# Altium PCB RCJ22_motherboard_2_final.PcbDoc (part 4 of 4)
Units mm, origin at the board's own origin, x right, y up, seen from the top; angles counter-clockwise.
Board outline 106.05 x 111.54 mm, 4 copper layers (Top Layer, Signal Layer 1, Signal Layer 2, Bottom Layer), stack 1.651 mm thick; 282 components, 273 nets, 1158 pads, 491 vias.
Unrouted connection lines stored in the file: 163.
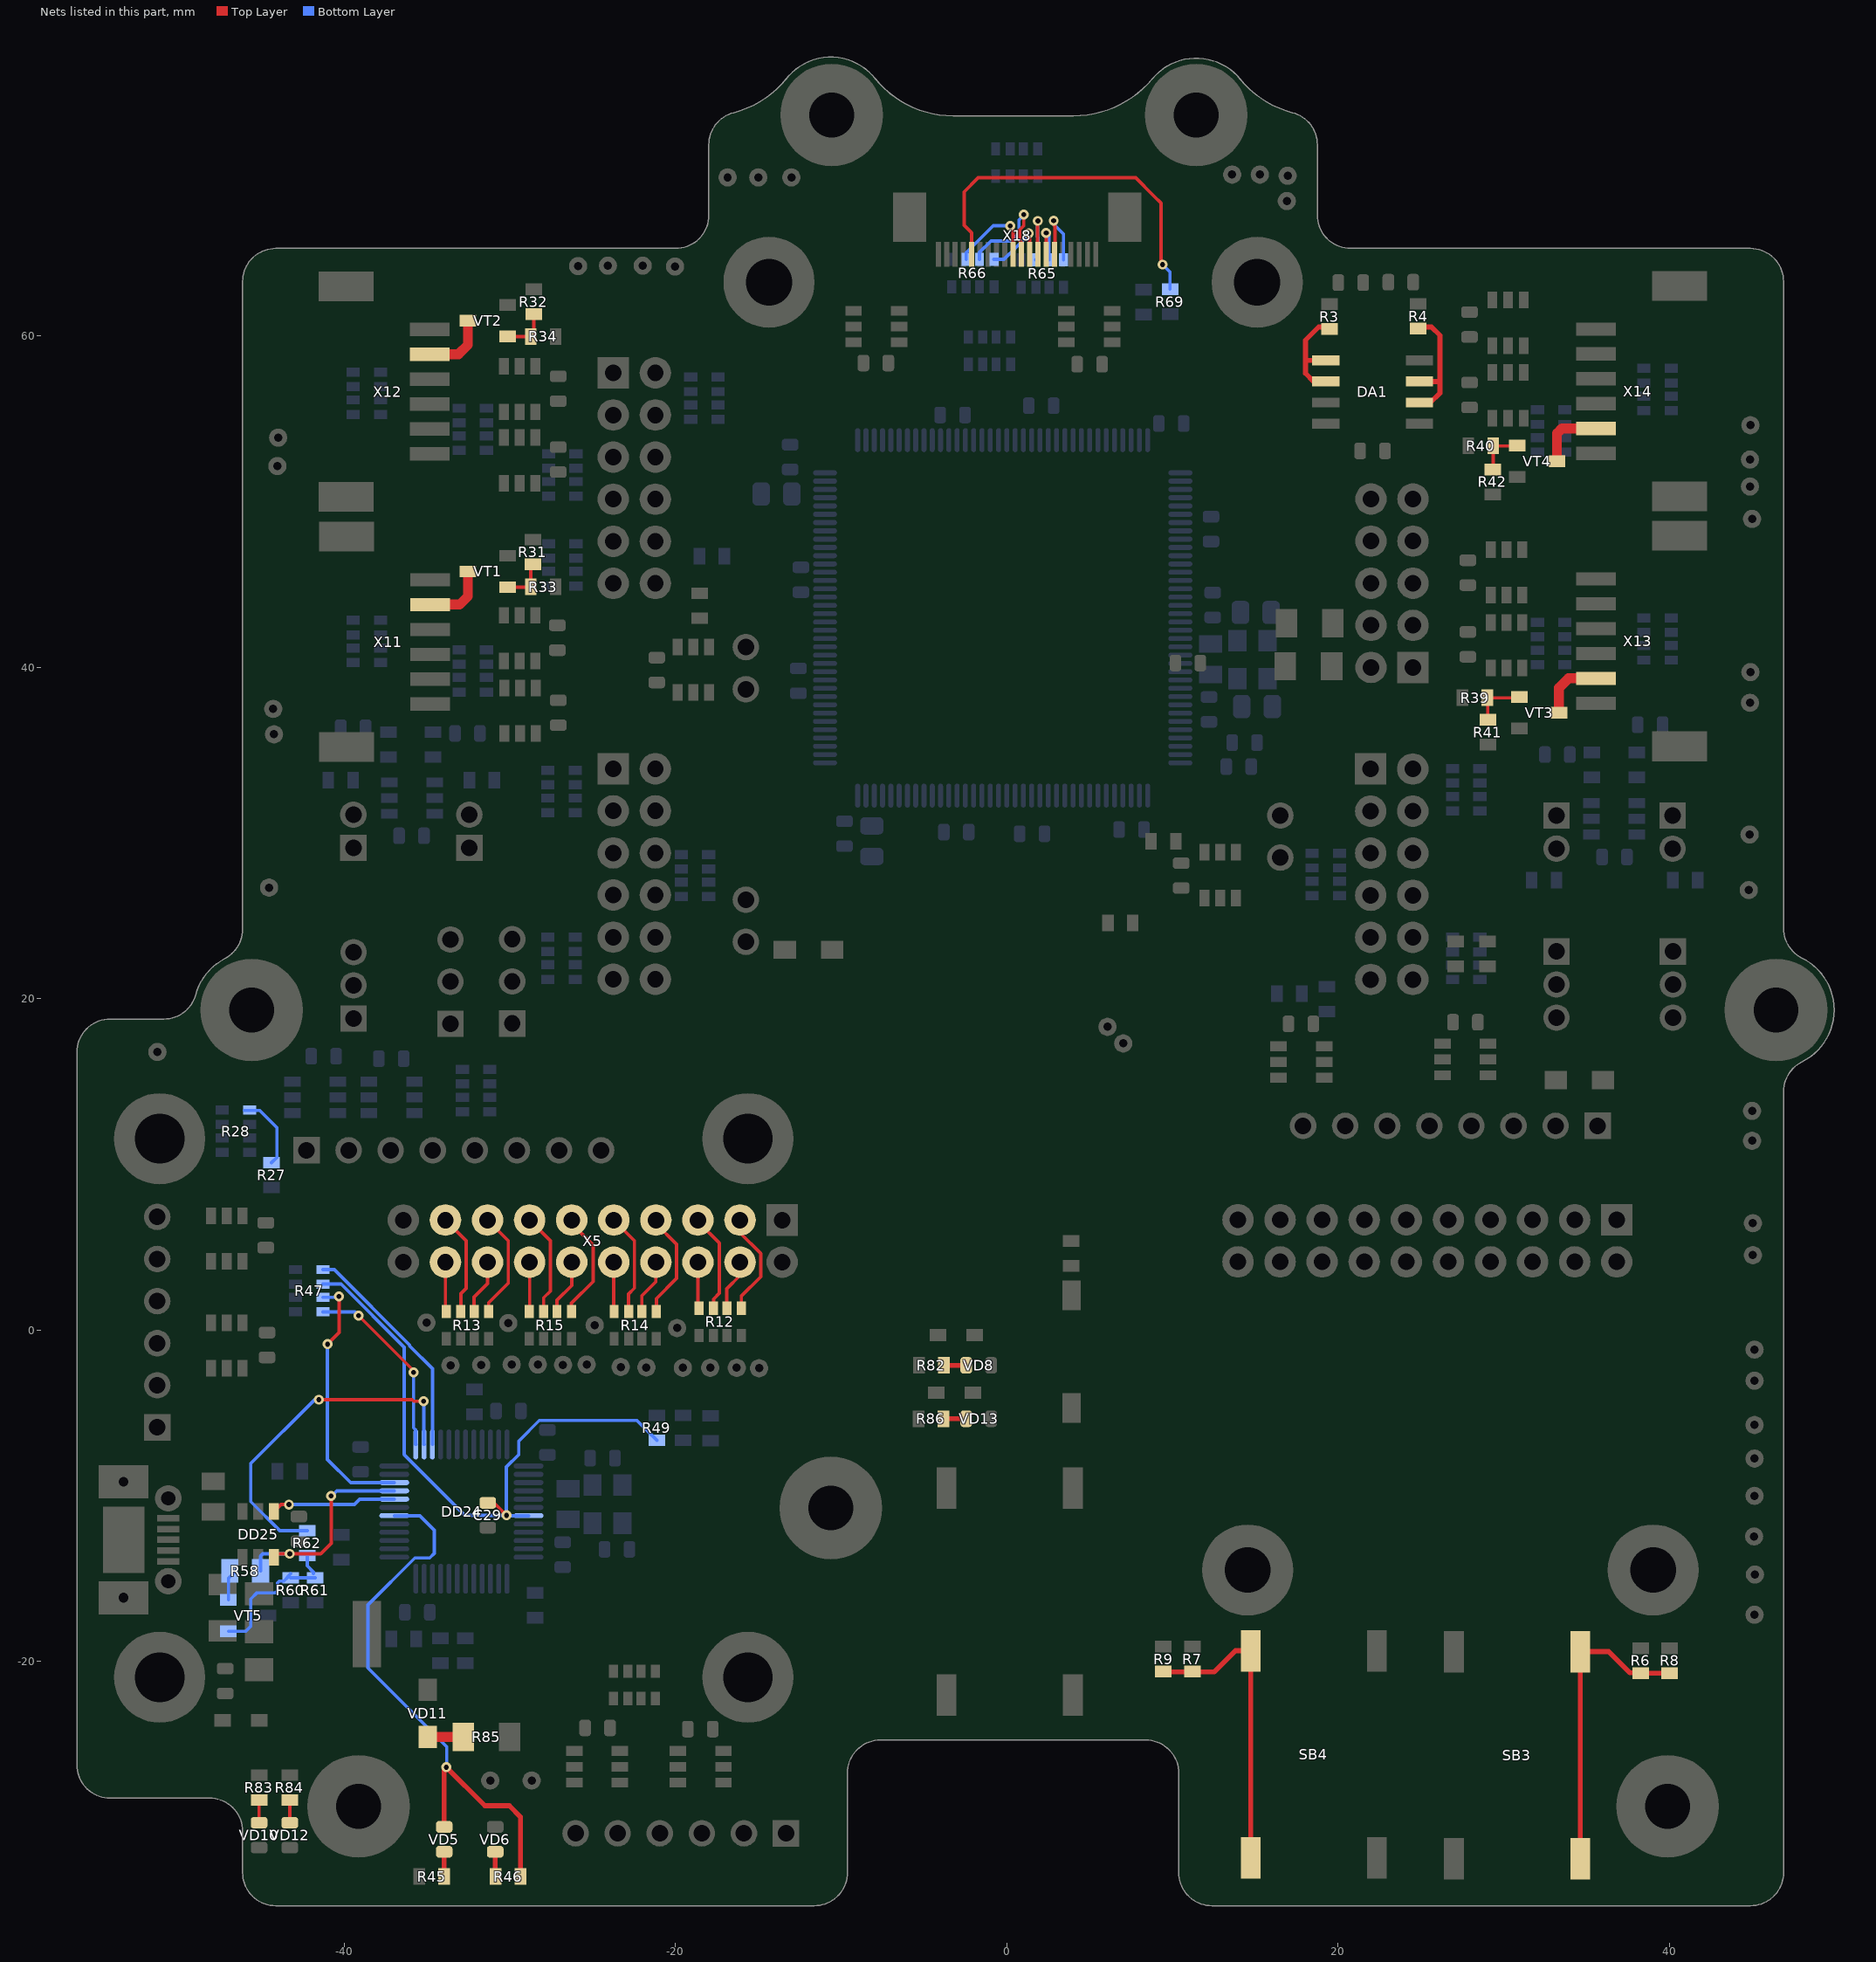
[diagram p6: the nets of this part, all layers, seen from the top]

## Via types
v1: diameter 0.6, hole 0.3, Top Layer to Bottom Layer, tented both sides, 475 vias
v2: diameter 1.1, hole 0.5, Top Layer to Bottom Layer, tented both sides, 16 vias

## Nets (pads, with @x,y where several pads share a name; then routed paths per layer and width w, separated by ;. In a path a pad name is that pad's centre, name@x,y a point inside that pad or via, vN(x,y) a via of type N, cw(c..) or ccw(c..) an arc to the next point about the centre after c; other vN are vias at no path point) (continued)
NetR6_1: R6.1 R8.1 SB3.2 | length 18.4
  Top Layer w0.3: SB3.2@34.61,-31.9 SB3.2@34.61,-19.4 36.325,-19.4 37.6,-20.675 R6.1@38.2,-20.675 ; R6.1@38.25,-20.7 R8.1@40,-20.7
NetR7_1: R7.1 R9.1 SB4.2 | length 18.3
  Top Layer w0.3: R9.1@9.45,-20.625 12.525,-20.625 13.8,-19.35 SB4.2@14.715,-19.35 SB4.2@14.715,-31.85
NetR12_1: R12.1 X5.3 | length 6.3
  Top Layer w0.2: X5.3@-16.1,6.64 -16.1,5.868 -14.85,4.618 -14.85,3.215 -16.025,2.04 R12.1@-16.025,1.325
NetR12_2: R12.2 X5.4 | length 3.1
  Top Layer w0.2: R12.2@-16.9,1.325 -16.9,2.5 -16.1,3.3 X5.4@-16.1,4.1
NetR12_3: R12.3 X5.5 | length 6
  Top Layer w0.2: X5.5@-18.64,6.64 -18.64,6.54 -17.35,5.25 -17.35,2.225 -17.7,1.875 R12.3@-17.7,1.325
NetR12_4: R12.4 X5.6 | length 2.8
  Top Layer w0.2: X5.6@-18.64,4.1 -18.64,1.39 R12.4@-18.575,1.325
NetR13_1: R13.1 X5.15 | length 6.5
  Top Layer w0.2: X5.15@-31.34,6.64 -30.09,5.39 -30.09,2.835 -31.275,1.65 R13.1@-31.275,1.125
NetR13_2: R13.2 X5.16 | length 3.3
  Top Layer w0.2: R13.2@-32.15,1.125 -32.15,2 -31.34,2.81 X5.16@-31.34,4.1
NetR13_3: R13.3 X5.17 | length 6.3
  Top Layer w0.2: X5.17@-33.88,6.64 -32.63,5.39 -32.63,2.52 -32.95,2.2 R13.3@-32.95,1.125
  Top Layer w0.3: X5.17@-34.035,6.64 X5.17@-33.88,6.64
NetR13_4: R13.4 X5.18 | length 3
  Top Layer w0.2: X5.18@-33.88,4.1 -33.88,1.18 R13.4@-33.825,1.125
NetR14_1: R14.1 X5.7 | length 6.5
  Top Layer w0.2: X5.7@-21.18,6.64 -21.18,6.43 -19.925,5.175 -19.925,3.125 -21.15,1.9 R14.1@-21.15,1.125
NetR14_2: R14.2 X5.8 | length 3.3
  Top Layer w0.2: R14.2@-22.025,1.125 -22.025,2.066 -21.18,2.911 X5.8@-21.18,4.1
NetR14_3: R14.3 X5.9 | length 6.2
  Top Layer w0.2: X5.9@-23.72,6.64 -22.47,5.39 -22.47,2.53 -22.825,2.175 R14.3@-22.825,1.125
NetR14_4: R14.4 X5.10 | length 3
  Top Layer w0.2: X5.10@-23.72,4.1 -23.72,1.145 R14.4@-23.7,1.125
NetR15_1: R15.1 X5.11 | length 6.6
  Top Layer w0.2: R15.1@-26.275,1.125 -26.275,1.625 -24.97,2.93 -24.97,5.12 -26.26,6.41 X5.11@-26.26,6.64
NetR15_2: R15.2 X5.12 | length 3.3
  Top Layer w0.2: R15.2@-27.15,1.125 -27.15,1.8 -26.26,2.69 X5.12@-26.26,4.1
NetR15_3: R15.3 X5.13 | length 6.2
  Top Layer w0.2: X5.13@-28.8,6.64 -27.55,5.39 -27.55,2.35 -27.95,1.95 R15.3@-27.95,1.125
NetR15_4: R15.4 X5.14 | length 3
  Top Layer w0.2: R15.4@-28.825,1.125 -28.8,1.15 X5.14@-28.8,4.1
NetR27_2: R27.2 R28.1 | length 4.7
  Bottom Layer w0.2: R28.1@-46.025,13.25 -45.925,13.25 -45.083,13.25 -44.05,12.217 -44.05,10.425 R27.2@-44.375,10.1
NetR31_1: R31.1 R33.1 VT1.1 | length 2.8
  Top Layer w0.2: VT1.1@-30.125,44.825 -28.75,44.825 R33.1@-28.725,44.85 -28.725,46.075 R31.1@-28.6,46.2
NetR32_1: R32.1 R34.1 VT2.1 | length 2.8
  Top Layer w0.2: VT2.1@-30.125,59.95 R34.1@-28.725,59.95 -28.55,60.125 R32.1@-28.55,61.3
NetR39_1: R39.1 R41.1 VT3.1 | length 3.3
  Top Layer w0.2: R41.1@29.025,36.825 29.025,38.125 R39.1@29,38.15 30.875,38.15 VT3.1@30.925,38.2
NetR40_1: R40.1 R42.1 VT4.1 | length 2.9
  Top Layer w0.2: R42.1@29.2,51.925 29.35,52.075 R40.1@29.35,53.35 30.775,53.35 VT4.1@30.8,53.375
NetR45_1: R45.1 VD5.2 | length 1.5
  Top Layer w0.3: R45.1@-33.955,-32.975 VD5.2@-33.955,-31.475
NetR46_1: R46.1 VD6.2 | length 1.5
  Top Layer w0.3: VD6.2@-30.875,-31.475 -30.875,-32.95 R46.1@-30.85,-32.975
NetR58_1: R58.1 VT5.2 | length 1.9
  Bottom Layer w0.2: VT5.2@-46.975,-16.275 -46.975,-14.975 R58.1@-46.525,-14.525
NetR60_1: R60.1 R61.2 R62.1 VT5.1 | length 9.2
  Bottom Layer w0.2: VT5.1@-46.975,-18.175 -45.935,-18.175 -45.625,-17.865 -45.625,-16.221 -45.254,-15.85 -44.14,-15.85 -44.023,-15.733 -44.023,-15.26 -43.906,-15.143 -43.625,-15.143 -43.403,-14.921 -43.403,-14.878 R60.1@-43.225,-14.7 ; R60.1@-43.225,-14.95 R61.2@-41.751,-14.95 ; R62.1@-42.225,-13.6 -42.225,-14.226 -41.848,-14.602 R61.2@-41.848,-14.7
NetR65_6: R65.6 X18.8 | length 4.3
  Top Layer w0.2: X18.8@1.875,64.835 1.85,64.86 1.85,65.961 1.85,66.396 1.85,66.65 v1@1.875,66.675
  Bottom Layer w0.2: R65.6@1.75,64.575 1.875,64.7 1.875,65.958 1.85,65.982 1.85,66.396 1.85,66.9 v1(1.875,66.925)
NetR65_7: R65.7 X18.7 | length 2.8
  Top Layer w0.2: X18.7@2.375,64.835 v1@2.375,65.95
  Bottom Layer w0.2: v1(2.375,66.203) 2.55,66.028 R65.7@2.55,64.575
NetR65_8: R65.8 X18.6 | length 4.5
  Top Layer w0.2: v1@2.825,66.685 2.9,66.61 2.9,64.86 X18.6@2.875,64.835
  Bottom Layer w0.2: v1(2.825,66.935) 2.825,66.725 3.425,66.125 R65.8@3.425,64.575
NetR66_6: R66.6 X18.11 | length 5.5
  Top Layer w0.2: v1(0.21,66.628) 0.21,66.52 0.375,66.355 X18.11@0.375,64.91
  Bottom Layer w0.2: R66.6@-2.45,64.6 -2.45,64.996 -0.818,66.628 v1(0.21,66.628)
NetR66_7: R66.7 X18.10 | length 7.1
  Top Layer w0.2: X18.10@0.875,64.835 X18.10@0.875,64.91 0.875,65.636 0.775,65.736 0.775,66.386 1.025,66.636 v1(1.025,67.3)
  Bottom Layer w0.2: R66.7@-1.65,64.6 -1.65,65.025 -0.957,65.718 0.243,65.718 0.735,66.21 0.735,66.983 1.025,67.273 v1(1.025,67.3)
NetR66_8: R66.8 X18.9 | length 3.9
  Top Layer w0.2: v1@1.3,65.953 1.375,65.878 X18.9@1.375,64.835
  Bottom Layer w0.2: R66.8@-0.775,64.6 -0.176,64.6 0.574,65.35 1.125,65.901 1.125,65.978 v1(1.325,66.178)
NetR69_2: R69.2 X18.16 | length 22.5
  Top Layer w0.2: X18.16@-2.125,64.835 X18.16@-2.125,64.91 -2.125,66.206 -2.575,66.656 -2.575,68.675 -1.725,69.525 7.772,69.525 8.855,68.442 9.3,67.997 9.3,64.5 9.509,64.291 v1(9.4,64.291)
  Bottom Layer w0.2: v1(9.4,64.291) 9.85,63.841 R69.2@9.85,62.8
NetR82_1: R82.1 VD8.2 | length 1.3
  Top Layer w0.3: R82.1@-3.8,-2.125 VD8.2@-2.45,-2.125
NetR83_1: R83.1 VD10.2 | length 1.4
  Top Layer w0.2: VD10.2@-45.125,-29.725 R83.1@-45.125,-28.35
NetR84_1: R84.1 VD12.2 | length 1.4
  Top Layer w0.2: VD12.2@-43.275,-29.725 R84.1@-43.275,-28.35
NetR85_1: R85.1 VD11.1 | length 2.2
  Top Layer w0.6: VD11.1@-34.95,-24.55 R85.1@-32.8,-24.55
NetR86_1: R86.1 VD13.2 | length 1.4
  Top Layer w0.3: R86.1@-3.825,-5.35 VD13.2@-2.45,-5.35
NetVT1_3: VT1.3 X11.2 | length 4
  Top Layer w0.6: X11.2@-34.8,43.775 -33.025,43.775 -32.525,44.275 VT1.3@-32.525,45.775
NetVT2_3: VT2.3 X12.2 | length 4
  Top Layer w0.6: X12.2@-34.825,58.875 -33.1,58.875 -32.525,59.45 VT2.3@-32.525,60.9
NetVT3_3: VT3.3 X13.2 | length 4
  Top Layer w0.6: VT3.3@33.325,37.25 33.325,38.75 33.9,39.325 X13.2@35.55,39.325
NetVT4_3: VT4.3 X14.2 | length 4.1
  Top Layer w0.6: VT4.3@33.2,52.425 33.2,54.1 33.5,54.4 X14.2@35.55,54.4
OUT1: DA1.1 DA1.2 R3.2 | length 6.4
  Top Layer w0.2: DA1.2@18.515,57.235 DA1.2@19.25,57.235
  Top Layer w0.3: DA1.2@18.515,57.235 18.025,57.725 18.025,58.505 ; DA1.1@19.25,58.505 18.025,58.505 ; R3.2@19.475,60.525 18.825,60.525 18.025,59.725 18.025,58.505
OUT2: DA1.6 DA1.7 R4.2 | length 7.7
  Top Layer w0.2: DA1.6@24.9,55.965 DA1.6@25.565,55.965
  Top Layer w0.3: R4.2@24.825,60.525 25.625,60.525 26.135,60.015 26.135,57.235 ; DA1.7@24.9,57.235 26.135,57.235 ; DA1.6@25.565,55.965 26.135,56.535 26.135,57.235
STLINK_LED: DD24.30 R46.2 VD5.1 | length 34.2
  Top Layer w0.3: VD5.1@-33.955,-29.975 -33.955,-26.505 v1(-33.825,-26.375) -31.5,-28.7 -30.025,-28.7 -29.35,-29.375 R46.2@-29.35,-32.975
  Bottom Layer w0.2: DD24.30@-36.965,-11.2 -35.425,-11.2 -34.55,-12.075 -34.55,-13.475 -34.825,-13.75 -35.725,-13.75 -38.55,-16.575 -38.55,-20.39 -33.8,-25.14 v1@-33.8,-26.375
STLINK_RST: C29.2 DD24.7 R47.6 R49.1 | length 37.6
  Top Layer w0.2: C29.2@-31.325,-10.425 -30.95,-10.425 v1(-30.2,-11.175)
  Bottom Layer w0.2: R47.6@-41.275,2.775 -40.175,2.775 -36.363,-1.037 -36.375,-1.05 -36.375,-7.51 -32.71,-11.175 v1(-30.2,-11.175) ; DD24.7@-28.865,-11.2 -30.175,-11.2 v1(-30.2,-11.175) ; R49.1@-21.125,-6.65 -22.325,-5.45 -28.216,-5.45 -29.45,-6.684 -29.45,-7.505 -30.2,-8.255 v1(-30.2,-11.175)
STLINK_SWCLK: DD24.37 R47.8 | length 11.5
  Top Layer w0.2: v1(-39.125,0.875) -35.8,-2.45 v1(-35.8,-2.55)
  Bottom Layer w0.2: R47.8@-41.275,1.1 -39.35,1.1 v1(-39.125,0.875) ; v1(-35.8,-2.55) -35.8,-5.9 -35.684,-6.016 -35.684,-6.881 DD24.37@-35.665,-6.9
STLINK_SWDIO: DD24.34 R47.7 | length 15.7
  Top Layer w0.2: v1(-41,-0.85) -40.3,-0.15 v1(-40.3,2.025)
  Bottom Layer w0.2: R47.7@-41.275,1.975 -40.35,1.975 v1(-40.3,2.025) ; v1(-41,-0.85) -41,-7.8 -39.6,-9.2 DD24.34@-36.965,-9.2
STLINK_TRACESWO: DD24.39 R47.5 | length 13.7
  Bottom Layer w0.2: R47.5@-41.275,3.65 -40.59,3.65 -36.037,-0.903 -36.037,-0.962 -34.665,-2.335 DD24.39@-34.665,-6.9
USB_DM: DD24.32 DD25.4 | length 7.6
  Top Layer w0.2: DD25.4@-44.225,-10.95 -43.8,-10.525 v1(-43.325,-10.525)
  Bottom Layer w0.2: v1(-43.325,-10.525) -39.375,-10.525 -39.05,-10.2 DD24.32@-36.965,-10.2
USB_DP: DD24.33 DD25.3 R58.2 | length 13.5
  Top Layer w0.2: DD25.3@-44.225,-13.7 -44.225,-13.45 -44.175,-13.5 v1(-43.275,-13.5) -41.409,-13.5 -40.775,-12.866 v1(-40.775,-10)
  Bottom Layer w0.2: R58.2@-45.042,-14.525 -45.042,-13.638 -44.905,-13.5 v1(-43.275,-13.5) ; v1(-40.775,-10) -40.736,-10 -40.436,-9.7 DD24.33@-36.965,-9.7
USB_RENUM: DD24.38 R62.2 | length 21.1
  Top Layer w0.2: v1(-41.525,-4.2) -35.89,-4.2 -35.8,-4.29 v1(-35.19,-4.29)
  Bottom Layer w0.2: R62.2@-42.225,-12.1 -43.875,-12.1 -45.625,-10.35 -45.625,-8.05 -41.775,-4.2 v1(-41.525,-4.2) ; v1(-35.19,-4.29) -35.177,-4.302 -35.177,-6.887 DD24.38@-35.165,-6.9
pads on no net: DD1.8 DD1.9 DD1.143 DD8.4 DD8.6 DD10.4 DD10.6 DD11. DD11.7 DD11.8 DD12. DD13. DD15.4 DD15.6 DD17.4 DD17.6 DD19.4 DD19.6 DD21.4 DD21.6 DD24.4 DD24.11 DD24.14 DD24.16 DD24.17 DD24.19 DD24.22 DD24.28 DD24.29 DD24.40 DD24.41 DD24.42 DD24.43 DD24.45 DD24.46 R28.2 R29.2 R29.7 R30.2 R30.7 R35.4 R35.5 R36.4 R36.5 R37.4 R37.5 R38.4 R38.5 R43.2 R43.7 R44.2 R44.7 R65.4 R65.5 R66.4 R66.5 R74.6 X8.3 X11.1 X12.1 X13.1 X14.1 X18.5 X21.12 Z1.0 Z2.0

## Polygon pours and split planes (outlines as drawn)
GND on Top Layer "Top Layer-GND" (solid, remove dead copper, pour order 121): -56.134,77.125 51.5,77.125 51.5,72.135 51.5,-34.734 -56.134,-34.734
+3,3В on Top Layer "Top Layer-+3,3В 1" (solid, remove dead copper, pour order 21): -1.25,34.675 12.65,34.675 12.65,46.7 14.092,48.142 14.092,57.5 -1.25,57.5
+3,3В on Top Layer "Top Layer-+3,3В 6" (solid, remove dead copper, pour order 87): -11.175,34.825 -11.175,24.75 -2.05,24.75 1.2,28 0.82,28.38 0.82,34.825
+3,3В on Top Layer "Top Layer-+3,3В 7" (solid, remove dead copper, pour order 101): -4.75,40.06 -4.75,32.85 2.778,32.85 4.128,34.2 4.128,40.025
+3,3В on Top Layer "Top Layer-+3,3В 3" (solid, remove dead copper, pour order 103): -24.5,35.225 -20.906,35.225 -20.877,35.253 -17.722,35.253 -17.725,34.975 -11.4,34.975 -11.375,35 -11.4,35.025 -11.4,48 -17.564,48 -17.702,36.876 -20.25,36.883 -20.25,39.287 -20.788,39.825 -24.5,39.825
+3,3В on Top Layer "Top Layer-+3,3В 4" (solid, remove dead copper, pour order 11): -27.285,32.409 -24.322,32.409 -24.322,58.825 -14.705,58.825 -14.705,69 -26.699,69
+3,3В on Top Layer "Top Layer-+3,3В 5" (solid, remove dead copper, pour order 24): 9.226,68.975 27.33,68.975 27.33,62.6 9.4,62.6 9.35,62.65
NetFU3_1 on Top Layer "NETFU3_1_L01_P129" (solid, pour order 129): 18.281,41.582 25.769,41.582 25.769,38.295 18.414,38.295 18.262,38.447
+3,3В on Top Layer "Top Layer-No Net 1" (solid, remove dead copper, pour order 23): 26.384,65.65 28.125,65.65 28.125,33.344 25.867,33.344
+3,3В_ST_LINK on Top Layer "Top Layer-+3,3В_ST_LINK 2" (solid, remove dead copper, pour order 27): -40.49,-3.25 -21.75,-3.25 -21.75,-15.3 -24.25,-17.8 -40.75,-17.8
NetFU2_1 on Top Layer "Top Layer-NetFU2_1" (solid, remove dead copper, pour order 57): 18.278,46.375 18.278,41.385 25.867,41.385 25.867,46.375
+3,3В on Top Layer "Top Layer-+3,3В" (solid, pour order 17): 3.588,65.583 3.587,63.575 7.612,63.575 7.612,65.535
+3,3В on Top Layer "Top Layer-+3,3В 8" (solid, remove dead copper, pour order 89): -31.351,-26.05 -28.366,-26.05 -28.366,-24.545 -14.713,-24.616 -14.75,-36.75 -11,-36.75 -9.35,-35.1 -9.35,-23.75 -9.35,-14.474 -24.322,-14.474 -31.29,-21.442
+3,3В_ST_LINK on Top Layer "Top Layer-+3,3В_ST_LINK 1" (solid, pour order 13): -46.121,-14.9 -46.121,-22.225 -36.65,-22.225 -36.65,-14.928
+3,3В on Top Layer "Top Layer-+3,3В 9" (solid, remove dead copper, pour order 117): 32.8,8.483 32.8,0.875 37.875,0.875 39,2 39,8.456
+3,3В on Top Layer "Top Layer-+3,3В 10" (solid, remove dead copper, pour order 115): -14.523,8.5 -15.25,7.773 -15.25,2.65 -11.265,2.65 -10.25,3.665 -10.25,8.5
+5В on Top Layer "Top Layer-+5В 1" (solid, remove dead copper, pour order 69): -7.15,-2.798 -7.15,-7 9.1,-7 9.55,-6.55 9.55,-2.698
+3,3В_ST_LINK on Top Layer "Top Layer-+3,3В_ST_LINK 3" (solid, remove dead copper, pour order 26): -43.75,8.525 -40.8,8.525 -39.425,7.15 -39.425,-8.5 -44.129,-8.5
+3,3В on Top Layer "Top Layer-+3,3В 2" (solid, remove dead copper, pour order 22): 31.325,32.55 42.075,32.55 42.15,32.625 42.175,32.6 42.175,18.65 31.225,18.65 31.2,18.625
+5В on Top Layer "Top Layer-+5В" (solid, remove dead copper, pour order 20): 28.875,10.075 28.875,8.677 3396.907,8.669 36.8,8.677 36.8,10.075
+5В_ST_LINK on Top Layer "Top Layer-+5В_ST_LINK" (solid, pour order 15): -49.325,-7.275 -49.325,-10.2 -46.575,-10.2 -46.575,-7.25
+3,3В_ST_LINK on Top Layer "Top Layer-+3,3В_ST_LINK" (solid, pour order 14): -37.625,-20.2 -33.075,-20.2 -33.075,-23.325 -37.625,-23.325
GND on Bottom Layer "Bottom Layer-GND" (solid, remove dead copper, pour order 126): -56.134,77.675 50.525,77.675 50.525,-35.3 -56.134,-35.3
+3,3В on Bottom Layer "Bottom Layer-+3,3В" (solid, remove dead copper, pour order 113): -11.25,32.301 -11.25,25.25 -6,25.25 -6,32.226
GND on Bottom Layer "Bottom Layer-GND 1" (solid, remove dead copper, pour order 85): -18.2,58.496 -18.2,53.55 -16.35,53.55 -15.75,54.15 -15.75,58.489
+3,3В on Bottom Layer "Bottom Layer-+3,3В 8" (solid, remove dead copper, pour order 119): -18.827,29.926 -18.821,24.671 -17.179,24.671 -16.125,25.725 -16.125,29.875
GND on Bottom Layer "Bottom Layer-GND 2" (solid, remove dead copper, pour order 83): 16.701,30.25 19.05,30.252 19.05,25.247 18.703,24.9 16.601,24.9
GND on Bottom Layer "GND_L04_P127" (solid, pour order 127): 20.516,51.418 20.519,51.42 26.125,51.42 26.125,46.719 25.769,46.363 20.516,46.363
+3,3В on Bottom Layer "+3,3В_L04_P016" (solid, pour order 16): -1.623,72.692 -1.623,70.672 3.437,70.672 3.792,71.028 3.792,72.692
GND on Bottom Layer "Bottom Layer-GND 4" (solid, remove dead copper, pour order 75): 27.95,24.75 30.375,24.75 30.375,19.728 30.05,19.403 27.85,19.403
+3,3В on Bottom Layer "Bottom Layer-+3,3В 2" (solid, remove dead copper, pour order 91): -26.95,29.637 -26.95,34.253 -27.272,34.575 -29.125,34.575 -29.125,30.056 -28.707,29.637
+3,3В on Bottom Layer "Bottom Layer-+3,3В 1" (solid, remove dead copper, pour order 107): -42.265,15.886 -27.865,15.886 -27.501,16.249 -27.501,17.524 -26.829,18.196 -26.829,25.3 -31.2,25.3 -31.2,22.45 -42.197,22.45
GND on Bottom Layer "Bottom Layer-GND 3" (solid, remove dead copper, pour order 81): 27.95,34.66 30.05,34.66 30.075,34.635 30.075,29.95 27.85,29.95
GND on Bottom Layer "Bottom Layer-GND 5" (solid, remove dead copper, pour order 73): -28.997,53.75 -26.95,53.75 -26.575,53.375 -26.575,44.956 -27.531,44 -29.125,44
+3,3В on Bottom Layer "Bottom Layer-+3,3В 3" (solid, remove dead copper, pour order 71): 39.25,44 39.25,39.396 39.296,39.35 41.45,39.35 41.45,43.5 40.95,44
+3,3В on Bottom Layer "Bottom Layer-+3,3В 4" (solid, remove dead copper, pour order 67): 39.276,59.15 39.276,54.275 41,54.275 41.725,55 41.725,59.175
+3,3В on Bottom Layer "Bottom Layer-+3,3В 5" (solid, remove dead copper, pour order 65): -48.75,15.025 -48.725,15 -46.427,15 -46.427,10.148 -47.075,9.5 -48.775,9.5
+3,3В on Bottom Layer "Bottom Layer-+3,3В 6" (solid, remove dead copper, pour order 63): -38.76,43.065 -38.76,43.825 -40.95,43.825 -40.95,39.3 -38.76,39.3
+3,3В on Bottom Layer "Bottom Layer-+3,3В 7" (solid, remove dead copper, pour order 61): -40.775,59.005 -40.745,58.975 -38.5,58.975 -38.5,54.5 -40.775,54.5
+5В on Bottom Layer "Bottom Layer-+5В" (solid, remove dead copper, pour order 59): 31.125,9.8 35,9.8 35,8.025 34.975,8 28.951,8 28.951,9.751 28.975,9.775
+5В_ST_LINK on Bottom Layer "Bottom Layer-+5В_ST_LINK" (solid, pour order 19): -49.3,-7.3 -49.3,-9.425 -46.7,-9.425 -46.7,-7.3
GND on Signal Layer 2 "Signal Layer 2-GND" (solid, remove dead copper, pour order 18): -56.134,90.025 51.841,90.025 51.841,-46.924 48.016,-50.749 -56.134,-50.749
no net on Signal Layer 2 "Signal Layer 2-No Net" (solid, pour order 125): -34.84,8.3 -34.823,8.283 -34.823,5.5 -37.7,5.5 -37.7,2.65 -11.525,2.65 -11.5,2.625 -11.475,2.65 -11.475,8.2

## Keep-outs
Keep-Out Layer:
  lines w0.1: -54.121,18.766 ccw(c-54.121,16.766) -56.121,16.766 -56.121,-26.234 ccw(c-54.121,-26.234) -54.121,-28.234 -48.121,-28.234 ; -54.121,18.766 -50.879,18.766 ccw(c-50.879,20.766) -48.95,20.239 ; -54.121,18.766 -54.121,18.766 ; -48.95,20.239 cw(c-45.573,19.316) -47.195,22.418 ccw(c-48.121,24.191) -46.122,24.191 -46.122,63.266 ; -48.95,20.239 -48.95,20.239 ; -48.121,-28.234 cw(c-48.121,-30.234) -46.121,-30.234 ; -48.121,-28.234 -48.121,-28.234 ; -46.122,-30.234 -46.121,-30.234 ; -46.122,-30.234 -46.122,-32.734 ccw(c-44.121,-32.734) -44.121,-34.734 -11.621,-34.734 ccw(c-11.621,-32.734) -9.621,-32.734 -9.621,-26.734 cw(c-7.621,-26.734) -7.621,-24.734 8.378,-24.734 cw(c8.378,-26.734) 10.379,-26.734 10.379,-32.734 ccw(c12.378,-32.734) 12.378,-34.734 44.879,-34.734 ; -46.122,63.266 cw(c-44.122,63.266) -44.122,65.266 ; -46.122,63.266 -46.122,63.266 ; -44.121,65.266 -19.987,65.266 ; -44.121,65.266 -44.121,65.266 ; -19.987,65.266 ccw(c-19.987,67.266) -17.987,67.266 -17.987,71.519 cw(c-15.987,71.519) -16.487,73.455 ccw(c-17.987,79.266) -13.335,75.475 cw(c-10.621,73.381) -7.908,75.475 ; -19.987,65.266 -19.987,65.266 ; -7.908,75.475 ccw(c-3.256,79.266) -3.256,73.265 4.013,73.265 ccw(c4.013,79.478) 8.792,75.508 cw(c11.429,73.318) 14.092,75.475 ccw(c18.744,79.266) 17.244,73.455 cw(c16.744,71.519) 18.744,71.519 18.744,67.266 ccw(c20.744,67.266) 20.744,65.266 ; -7.908,75.475 -7.908,75.475 ; 20.744,65.266 44.879,65.266 ; 20.744,65.266 20.744,65.266 ; 44.879,-34.734 ccw(c44.879,-32.734) 46.879,-32.734 ; 44.879,-34.734 44.879,-34.734 ; 44.879,65.266 cw(c44.879,63.266) 46.879,63.266 ; 44.879,65.266 44.879,65.266 ; 46.879,-32.734 46.879,-32.734 ; 46.879,-32.734 46.879,14.392 cw(c48.879,14.392) 47.987,16.182 ccw(c46.428,19.316) 47.987,22.45 ; 46.879,63.266 46.879,24.24 ccw(c48.879,24.24) 47.987,22.45 ; 46.879,63.266 46.879,63.266 ; 47.987,22.45 47.987,22.45
